# Altium PCB MSE-PCB-N1.PcbDoc
Units mil, origin at the board's own origin, x right, y up, seen from the top; angles counter-clockwise.
Board outline 2086.61 x 3937.01 mil, 4 copper layers (Top Layer 1, Layer 2, Layer 3, Bottom Layer 4), stack 62.449 mil thick; 73 components, 82 nets, 300 pads, 70 vias.
Unrouted connection lines stored in the file: 62.
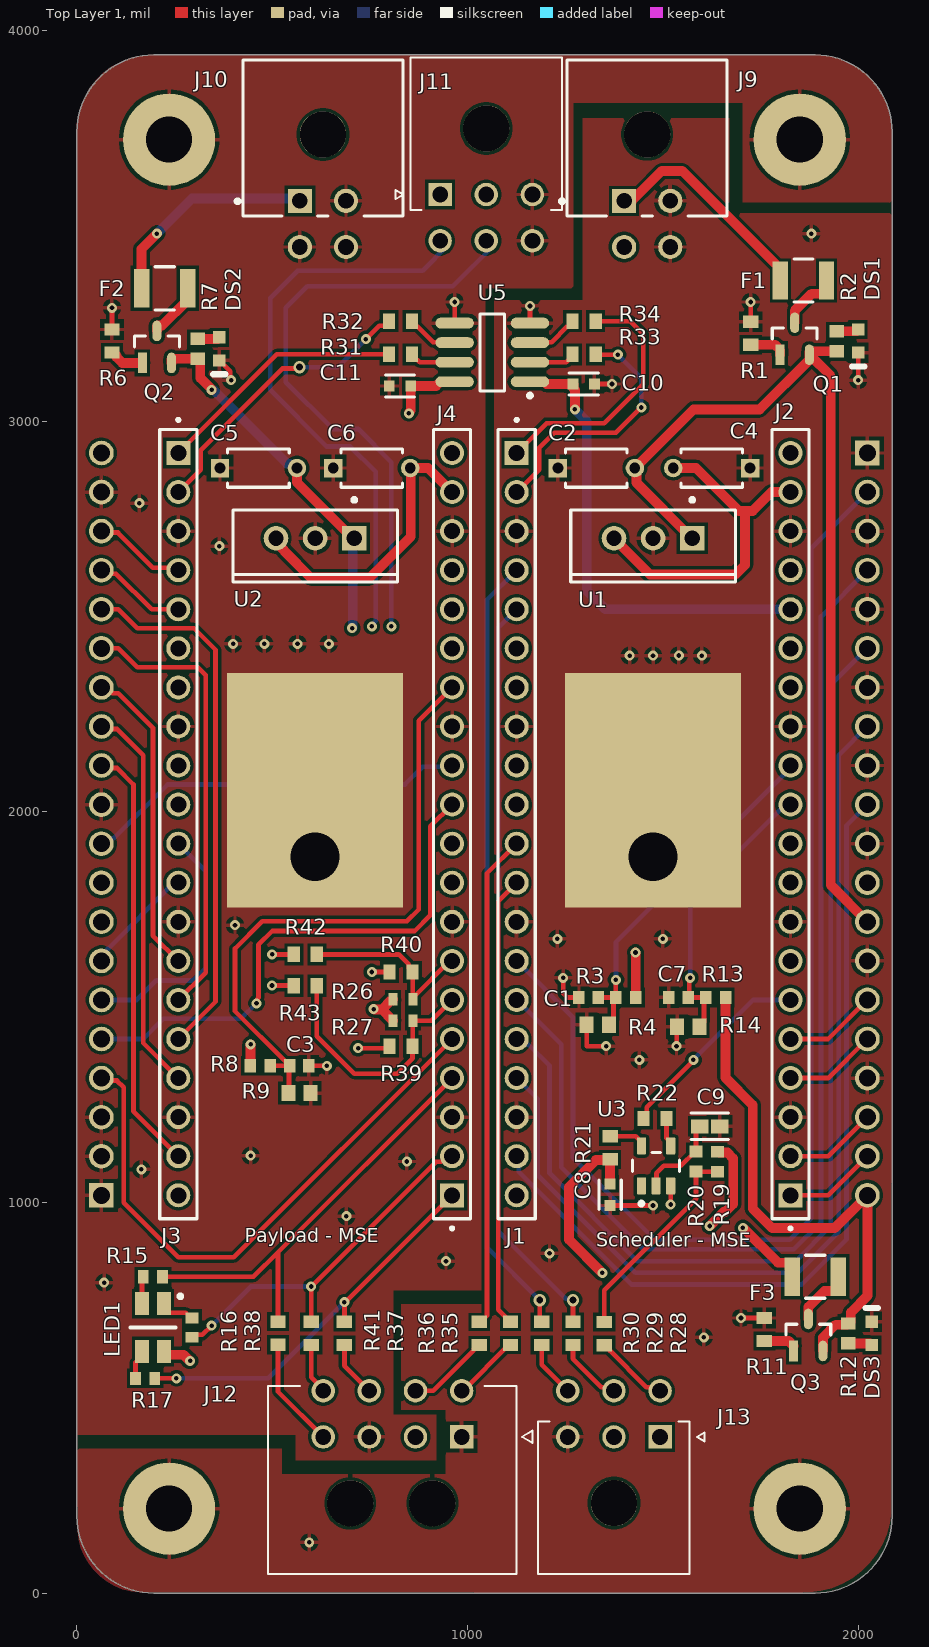
[diagram p0: Top Layer 1 view]
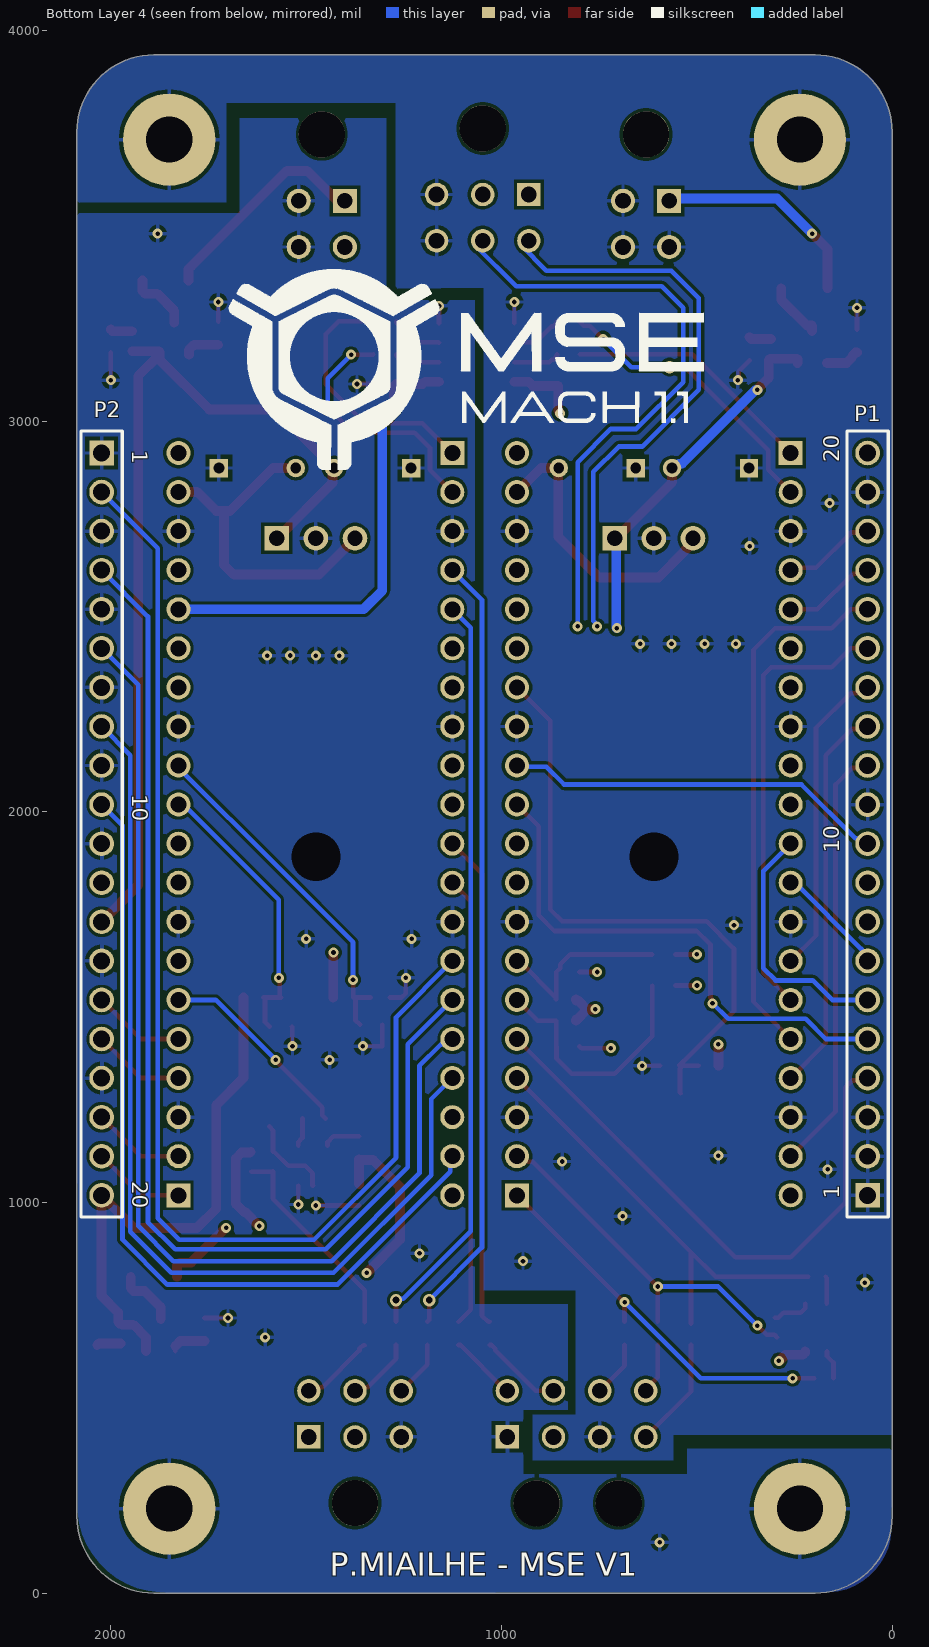
[diagram p1: Bottom Layer 4 view, seen from below]
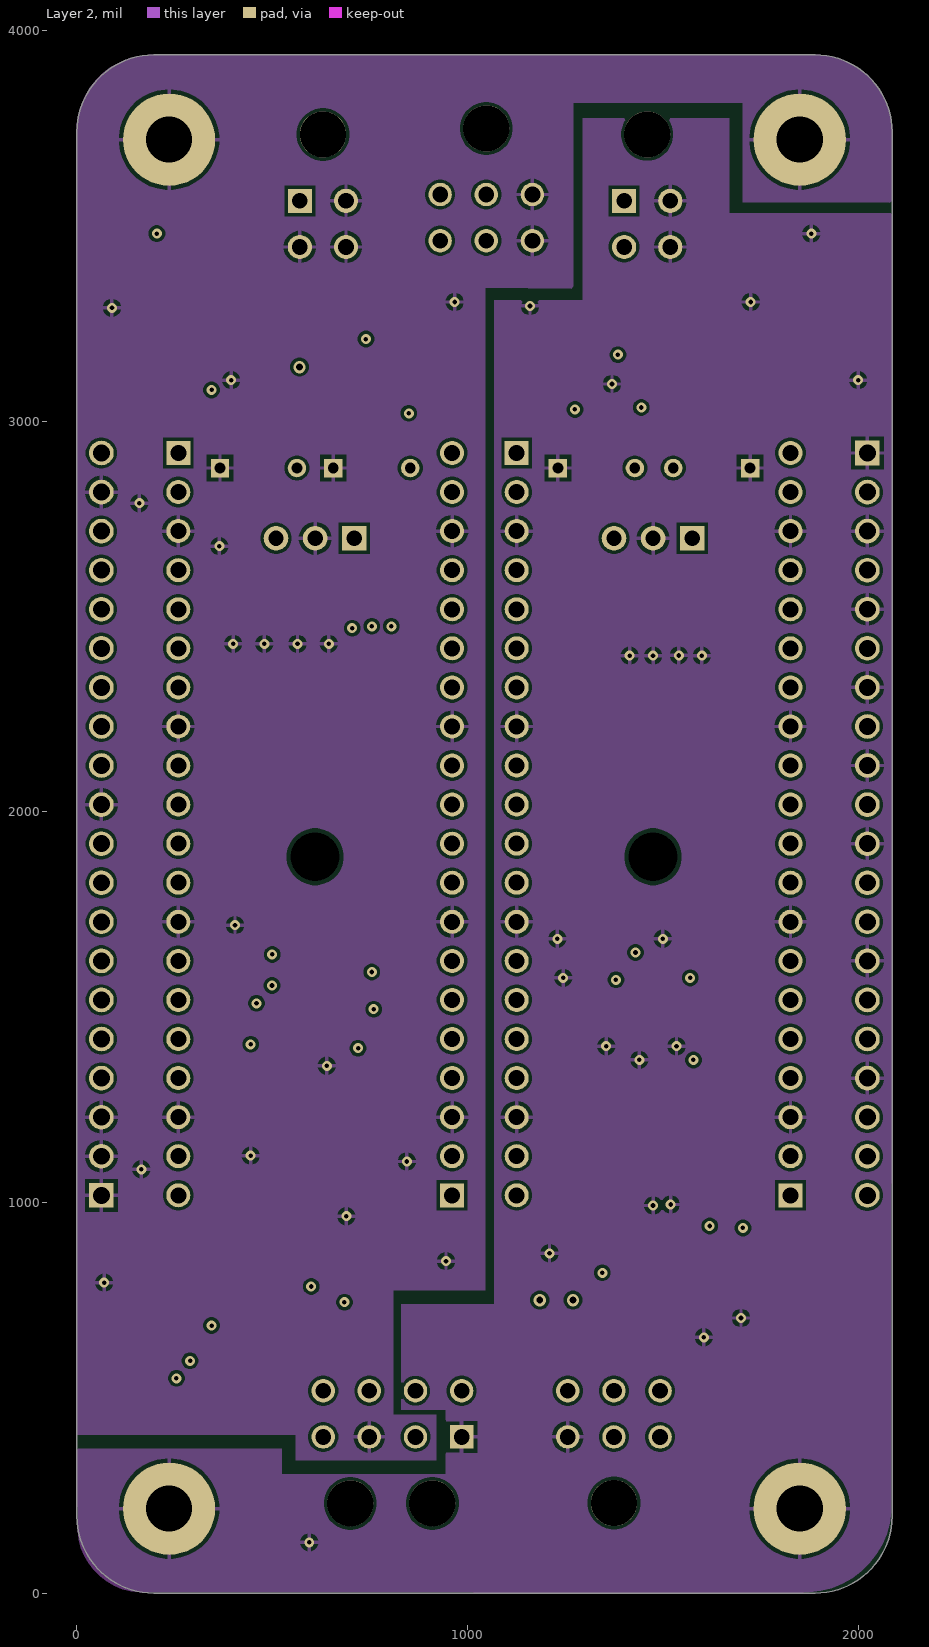
[diagram p2: Layer 2]
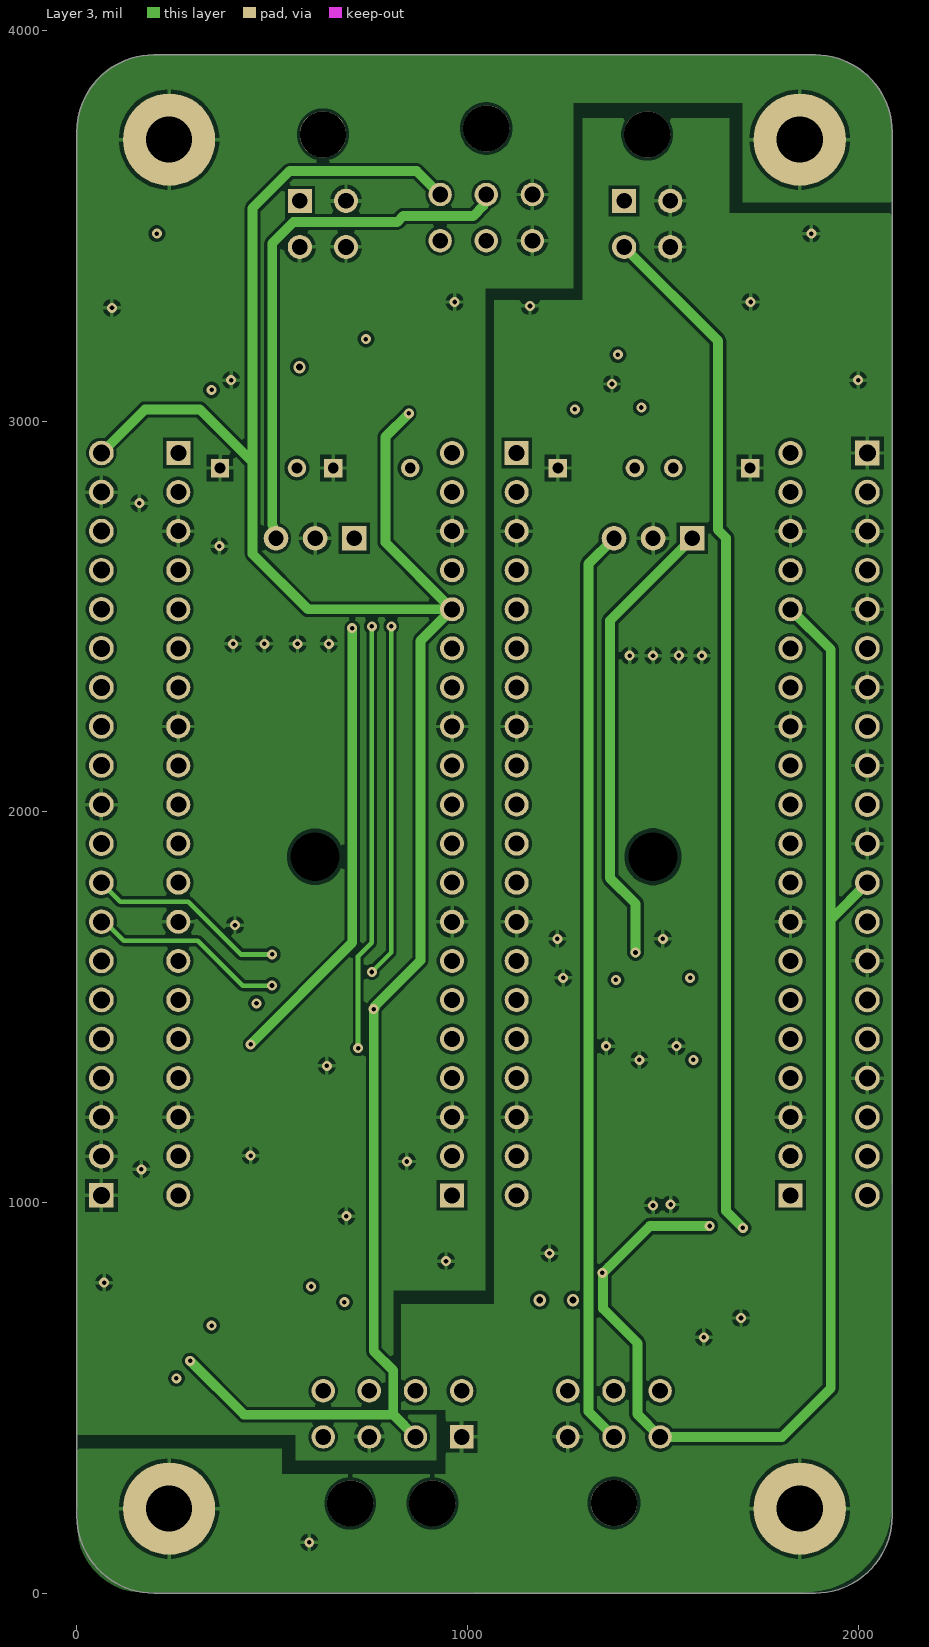
[diagram p3: Layer 3]

## Layer stack, top to bottom
Top Solder: solder mask 0.8, SM-002, Dk 3.8
Top Layer 1: signal copper 1.378
Dielectric 2: prepreg 8.284, PP-022, Dk 4.6
Layer 2: signal copper 0.598
Dielectric 1: core 41.929, Core-042, Dk 4.6
Layer 3: signal copper 0.598
Dielectric 3: prepreg 8.284, PP-022, Dk 4.6
Bottom Layer 4: signal copper 1.378
Bottom Solder: solder mask 0.8, SM-002, Dk 3.8

## Board outline
0.25,197.1 0.25,3740.41 cw(c197.1,3740.41) 197.1,3937.26 1890.01,3937.26 cw(c1890.01,3740.41) 2086.86,3740.41 2086.86,197.1 cw(c1890.01,197.1) 1890.01,0.25 197.1,0.25 cw(c197.1,197.1)

## Design rules (kind name [scope] priority, off if disabled: settings)
Clearance [All] p1: gap=8 ignorepadtopadclearanceinfootprint=TRUE
PolygonConnect [All] p1: connectstyle=Relief reliefconductorwidth=10 reliefentries=4 polygonreliefangle="90 Angle" airgapwidth=10
RoutingVias "RoutingVias <= 0.45mm" [All] p1: holewidth=11.81 width=25.59 viastyle="Through Hole" minholewidth=9.84 minwidth=23.62 maxholewidth=17.72 maxwidth=31.5
RoutingVias "RoutingVias > 0.45" [All] p2: holewidth=19.68 width=33.47 viastyle="Through Hole" minholewidth=19.68 minwidth=33.47 maxholewidth=35.43 maxwidth=49.21
SolderMaskExpansion [All] p1: expansion=4 istentingtop=FALSE
Width Width_50R [InNetClass('50R')] p1: maxlimit=14.28 minlimit=10.33 preferedwidth=13.57 toplayer_minwidth=13.57 midlayer1_maxwidth=10.48 midlayer1_prefwidth=10.33 midlayer2_maxwidth=10.48 midlayer2_prefwidth=10.33 bottomlayer_minwidth=13.57 impedanceprofiledriven=TRUE minimp=50.000000 maximp=50.000000 favimp=50.000000
Width [All] p2: maxlimit=25 minlimit=8 preferedwidth=12 minimp=50.000000 maximp=50.000000 favimp=50.000000
30 further rules are at their usual default settings.

## Classes and differential pairs
component class Isolator: C10 C11 R31 R32 R33 R34 U5
component class Scheduler: C8 C9 J1 J2 R19 R20 R21 R22 U3
component class Power: C1 C2 C3 C4 C5 C6 C7 DS1 DS2 DS3 F1 F2 F3 Q1 Q2 Q3 R1 R2 R3 R4 R6 R7 R8 R9 R11 R12 R13 R14 U1 U2
component class Payload: J3 J4 LED1 R15 R16 R17 R26 R27
component class Connecteur: J9 J10 J11 J12 J13 "J&\"" P1 P2 R28 R29 R30 R35 R36 R37 R38 R39 R40 R41 R42 R43

## Components (designator, comment, footprint, x,y, rotation, side; value= is the part's Value field where it differs from the comment)
C1 "GRM188R61E105KA12D" CAPC1608X90X35LL10T15 1310,1525 r0 top
C2 "0.1uF" FP-RCE1K1-2_5-MFG 1330,2880 r0 top
C3 "GRM188R61E105KA12D" CAPC1608X90X35LL10T15 569.61,1350 r180 top
C4 "0.1uF" FP-RCE1K1-2_5-MFG 1625,2880 r180 top locked
C5 "0.1uF" FP-RCE1K1-2_5-MFG 465,2880 r0 top locked
C6 "0.1uF" FP-RCE1K1-2_5-MFG 755,2880 r0 top
C7 "GRM188R61E105KA12D" CAPC1608X90X35LL10T15 1540,1525 r0 top
C8 "CGA3E2X7R1E104K080AA" FP-CGA3E-0_3-0_1-MFG 1365,1020 r270 top
C9 "C1608X7R1H334K080AC" FP-C1608-080-0_1-IPC_B 1620,1195 r180 top
C10 "CGA3E2X7R1E104K080AA" FP-CGA3E-0_3-0_1-MFG 1297.44,3095 r0 top
C11 "CGA3E2X7R1E104K080AA" FP-CGA3E-0_3-0_1-MFG 827.44,3090 r180 top
DS1 "HSMG-C190" AVAG-HSMX-C190_V 2000,3205 r270 top
DS2 "HSMG-C190" AVAG-HSMX-C190_V 365,3185 r270 top
DS3 "HSMG-C190" AVAG-HSMX-C190_V 2035,665 r90 top
F1 "1210L110/16WR" FP-1210L110-16WR-MFG 1860,3360 r0 top value=0.06-0.21Ω
F2 "1210L110/16WR" FP-1210L110-16WR-MFG 225,3340 r0 top value=0.06-0.21Ω
F3 "1210L110/16WR" FP-1210L110-16WR-MFG 1890,810 r0 top value=0.06-0.21Ω
J1 "SSW-120-01-X-S" SAMTEC_SSW-120-01-X-S 1125.98,1968.5 r270 top locked
J2 "SSW-120-01-X-S" SAMTEC_SSW-120-01-X-S 1826.77,1968.5 r90 top locked
J3 "SSW-120-01-X-S" SAMTEC_SSW-120-01-X-S 259.84,1968.5 r270 top locked
J4 "SSW-120-01-X-S" SAMTEC_SSW-120-01-X-S 960.63,1968.5 r90 top locked
J9 "43045-0400" FP-43045-0400-MFG 1460,3720 r180 top locked
J10 "43045-0400" FP-43045-0400-MFG 630,3720 r180 top locked
J11 "2125280601" MOLEX_2125280601 930,3580 r180 top locked
J12 "430450800" MOLEX_430450800 985,400 r0 top locked
J13 "2125280601" MOLEX_2125280601 1493,400 r0 top locked
LED1 "150141M173100" 3528_A 195,680 r270 top
P1 "61302011121" 61302011121 62.99,1968.5 r90 bottom locked
P2 "61302011121" 61302011121 2023.62,1968.5 r270 bottom locked
Q1 "FDN360P" FP-527AG-IPC_B 1837.6,3210.95 r90 top
Q2 "FDN360P" FP-527AG-IPC_B 205,3190 r90 top
Q3 "FDN360P" FP-527AG-IPC_B 1872.4,660.95 r90 top
R1 "RC0603JR-070RL" RESC1608X55X25ML10T15 1725,3225 r270 top
R2 "260R" RESC1609X50X30NL8T20 1945,3204.41 r90 top
R3 "ERJ3EKF1002V" RESC1609X55X30LL15T15 1405,1525 r0 top
R4 "ERJ-3EKF2001V" RESC1608X55X30ML15T15 1333.54,1455 r0 top
R6 "RC0603JR-070RL" RESC1608X55X25ML10T15 90,3205 r270 top
R7 "260R" RESC1609X50X30NL8T20 310,3185 r90 top
R8 "ERJ3EKF1002V" RESC1609X55X30LL15T15 469.61,1350 r180 top
R9 "ERJ-3EKF2001V" RESC1608X55X30ML15T15 570,1280 r180 top
R11 "RC0603JR-070RL" RESC1608X55X25ML10T15 1760,675 r270 top
R12 "260R" RESC1609X50X30NL8T20 1975,665 r270 top
R13 "ERJ3EKF1002V" RESC1609X55X30LL15T15 1635,1525 r0 top
R14 "ERJ-3EKF2001V" RESC1608X55X30ML15T15 1565,1450 r0 top
R15 "ERJ-3EKF1000V" RESC1608X55X30LL15T15 195,810 r180 top
R16 "ERJ-3EKF1000V" RESC1608X55X30LL15T15 295,680 r90 top
R17 "ERJ-3EKF1000V" RESC1608X55X30LL15T15 175,550 r180 top
R19 "ERJ3EKF1002V" RESC1609X55X30LL15T15 1640,1104.41 r90 top
R20 "ERJ3EKF1002V" RESC1609X55X30LL15T15 1585,1105 r270 top
R21 "0R" RESC1608X55X25ML10T15 1365,1140 r90 top
R22 "0R" RESC1608X55X25ML10T15 1480,1215 r180 top
R26 "RC0603FR-074K7L" RESC1608X55X25LL10T15 835,1520 r180 top
R27 "RC0603FR-074K7L" RESC1608X55X25LL10T15 835,1465 r180 top
R28 "0R" RESC1608X55X25ML10T15 1350,664.53 r90 top
R29 "0R" RESC1608X55X25ML10T15 1270,665 r90 top
R30 "0R" RESC1608X55X25ML10T15 1190,665 r90 top
R31 "RC0603JR-070RL" RESC1608X55X25ML10T15 828.5,3171.04 r180 top
R32 "RC0603JR-070RL" RESC1608X55X25ML10T15 828.5,3256.04 r180 top
R33 "RC0603JR-070RL" RESC1608X55X25ML10T15 1298.5,3171.04 r180 top
R34 "RC0603JR-070RL" RESC1608X55X25ML10T15 1298.5,3256.04 r180 top
R35 "0R" RESC1608X55X25ML10T15 1110,665 r90 top
R36 "0R" RESC1608X55X25ML10T15 1030,665 r90 top
R37 "0R" RESC1608X55X25ML10T15 685,665 r270 top
R38 "0R" RESC1608X55X25ML10T15 515,665.47 r270 top
R39 "0R" RESC1608X55X25ML10T15 830,1400 r0 top
R40 "0R" RESC1608X55X25ML10T15 830,1590 r0 top
R41 "0R" RESC1608X55X25ML10T15 600,665 r270 top
R42 "0R" RESC1608X55X25ML10T15 585,1635 r0 top
R43 "0R" RESC1608X55X25ML10T15 585,1555 r0 top
U1 "LM340AT-5.0" NDE0003A 1475,2700 r180 top locked
U2 "LM340AT-5.0" NDE0003A 610,2700 r180 top locked
U3 "SN74LVC1G17DBVT" FP-DBV0005A-MFG 1482.6,1093.82 r90 top
U5 "ADUM1286BRZ" ADI-R-8_M 1063.5,3176.04 r180 top

## Footprints (in the part's own frame and the unit in brackets; to place one, negate y for a bottom-side part, rotate by r counter-clockwise, add the part's x,y. Pads: shape width x height; smd on the part's side, far side on the other; paste and mask are expansions set on the pad)
3528_A [mm] "Chip LED, 4-Leads, Body 2.8x3.5mm (max), Pitch 1.42mm, IPC Medium Density"
  rect 1.5x0.9 smd: 1(1.55,0.707) 2(1.55,-0.71) 3(-1.55,0.707) 4(-1.55,-0.707)
  silkscreen extent -2.15,-1.5 0.03,1.9, body extent -1.75,-1.4 1.75,1.4, height 1.87
61302011121 [mm] "Pin Header, pitch 2.54 mm, THT, Vertical, single row, 20p"
  rect 1.6x1.6 hole 1.1: 1(-24.13,0)
  round 1.6 hole 1.1: 2(-21.59,0) 3(-19.05,0) 4(-16.51,0) 5(-13.97,0) 6(-11.43,0) 7(-8.89,0) 8(-6.35,0) 9(-3.81,0) 10(-1.27,0) 11(1.27,0) 12(3.81,0) 13(6.35,0) 14(8.89,0) 15(11.43,0) 16(13.97,0) 17(16.51,0) 18(19.05,0) 19(21.59,0) 20(24.13,0)
  silkscreen extent -25.55,-1.35 25.55,1.35, body extent -25.4,-1.27 25.4,1.27, height 8.57
ADI-R-8_M [mm] "SOIC, 8-Leads, Body 4.9x3.9mm, Pitch 1.27mm, IPC Low Density"
  oval 2.5x0.7 smd: 1(-2.45,1.905) 2(-2.45,0.635) 3(-2.45,-0.635) 4(-2.45,-1.905) 5(2.45,-1.905) 6(2.45,-0.635) 7(2.45,0.635) 8(2.45,1.905)
  silkscreen extent -2.58,-2.5 0.8,2.93, body extent -2,-2.5 2,2.5, height 1.75
AVAG-HSMX-C190_V [mm] "SMD, 2-Leads, Body 1.6x0.8mm, Height 0.9mm"
  rect 0.8x0.8 smd: 1(-0.75,0) 2(0.75,0)
  silkscreen extent 1.65,-0.4 1.65,0.4, body extent -0.8,-0.4 0.8,0.4, height 0.9
CAPC1608X90X35LL10T15 [mm] "Chip Capacitor, 2-Leads, Body 1.60x0.80mm, IPC High Density"
  rect 0.75x0.85 smd: 1(-0.625,0) 2(0.625,0)
  body extent -0.85,-0.45 0.85,0.45, height 0.9
FP-527AG-IPC_B [mm]
  rect 1.336x0.585 smd paste+0 mask+0: 1(-1.04,0.95)
  rrect100% 1.336x0.585 smd paste+0 mask+0: 2(-1.04,-0.95) 3(1.04,0)
  silkscreen extent 0,-1.46 0.7,1.46, body extent -1.96,-1.71 1.96,1.71, height 0.25
FP-1210L110-16WR-MFG [mm]
  rect 1x2.5 smd paste+0 mask+0: 1(-1.5,0) 2(1.5,0)
  silkscreen extent -0.63,-1.4 0.63,1.4, body extent -2.1,-1.5 2.1,1.5, height 0.25
FP-43045-0400-MFG [mm]
  rect 1.57x1.57 hole 1.02 paste-1000 mask+0: 1(1.5,3.965)
  round 1.57 hole 1.02 paste-1000 mask+0: 2(-1.5,3.965) 3(1.5,6.965) 4(-1.5,6.965)
  round 3 hole 3 unplated paste-1000 mask+0: ""(0,-0.355)
  silkscreen extent -5.2,-5.21 5.67,4.95, body extent -5.3,-5.31 5.3,7.85, height 0.25
FP-C1608-080-0_1-IPC_B [mil]
  rect 44.53x35.91 smd paste+0 mask+0: 1(-25.22,0) 2(25.22,0)
  silkscreen extent -47,-34 47,34, body extent -57,-28 57,28, height 10
FP-CGA3E-0_3-0_1-MFG [mm]
  rect 0.7x0.7 smd paste+0 mask+0: 1(-0.7,0) 2(0.7,0)
  silkscreen extent -0.95,-0.72 0.95,0.72, body extent -1.15,-0.65 1.15,0.65, height 0.25
FP-DBV0005A-MFG [mm]
  rrect17% 1.1x0.6 smd paste+0 mask+0: 1(-1.3,0.95) 2(-1.3,0) 3(-1.3,-0.95) 4(1.3,-0.95) 5(1.3,0.95)
  silkscreen extent -2.57,-1.53 0.87,1.53, body extent -1.95,-1.78 1.95,1.78, height 0.25
FP-RCE1K1-2_5-MFG [mm]
  rect 1.2x1.2 hole 0.7 paste-1000 mask+0: 1(-2.5,0)
  round 1.2 hole 0.7 paste-1000 mask+0: 2(2.5,0)
  silkscreen extent -2,-1.25 2,1.25, body extent -3.2,-1.35 3.2,1.35, height 0.25
MOLEX_430450800 [mm]
  rect 1.52x1.52 hole 1.02 mask+0.076: 1(0,0)
  round 1.52 hole 1.02 mask+0.076: 2(-3,0) 3(-6,0) 4(-9,0) 5(0,3) 6(-3,3) 7(-6,3) 8(-9,3)
  round 3 hole 3 unplated mask+0.076: ""(-7.239,-4.318) ""(-1.905,-4.318)
  silkscreen extent -12.57,-8.92 4.62,3.32, body extent -12.57,-8.91 3.58,3.33, height 8.78
MOLEX_2125280601 [mm]
  rect 1.52x1.52 / inner round 1.52 / far side rect 1.52x1.52 hole 1.02 mask+0.076: 1(0,0)
  round 1.52 hole 1.02 mask+0.076: 2(-3,0) 3(-6,0) 4(0,3) 5(-3,3) 6(-6,3)
  round 3 hole 3 unplated mask+0.076: ""(-3,-4.3)
  silkscreen extent -7.93,-8.9 2.9,1.01, body extent -7.94,-8.89 1.91,3.29, height 8.81
NDE0003A [mm] "FM, 3-Leads, Body 10.7x4.7mm, Pitch 2.54mm"
  rect 1.6x1.6 hole 1: 1(-2.54,0)
  round 1.6 hole 1: 2(0,0) 3(2.54,0)
  silkscreen extent -5.35,-2.62 5.35,2.85, body extent -5.4,-1.9 5.4,2.9, height 19.4
RESC1608X55X25LL10T15 [mm] "Chip Resistor, 2-Leads, Body 1.60x0.80mm, IPC High Density"
  rect 0.6x0.8 smd: 1(-0.65,0) 2(0.65,0)
  body extent -0.85,-0.45 0.85,0.45, height 0.55
RESC1608X55X25ML10T15 [mm] "Chip Resistor, 2-Leads, Body 1.60x0.80mm, IPC Low Density"
  rect 0.8x1 smd: 1(-0.75,0) 2(0.75,0)
  body extent -0.85,-0.45 0.85,0.45, height 0.55
RESC1608X55X30LL15T15 [mm] "Chip Resistor, 2-Leads, Body 1.60x0.80mm, IPC High Density"
  rect 0.7x0.85 smd: 1(-0.625,0) 2(0.625,0)
  body extent -0.87,-0.48 0.87,0.48, height 0.55
RESC1608X55X30ML15T15 [mm] "Chip Resistor, 2-Leads, Body 1.60x0.80mm, IPC Low Density"
  rect 0.9x1.05 smd: 1(-0.725,0) 2(0.725,0)
  body extent -0.87,-0.48 0.87,0.48, height 0.55
RESC1609X50X30NL8T20 [mm] "Chip Resistor, 2-Leads, Body 1.65x0.95mm, IPC Medium Density"
  rect 0.8x0.95 smd: 1(-0.65,0) 2(0.65,0)
  body extent -0.82,-0.48 0.82,0.48, height 0.5
RESC1609X55X30LL15T15 [mm] "Chip Resistor, 2-Leads, Body 1.75x0.95mm, IPC High Density"
  rect 0.75x0.85 smd: 1(-0.65,0) 2(0.65,0)
  body extent -0.87,-0.48 0.87,0.48, height 0.55
SAMTEC_SSW-120-01-X-S [mm]
  rect 1.56x1.56 hole 1.04: 01(-24.13,0)
  round 1.56 hole 1.04: 02(-21.59,0) 03(-19.05,0) 04(-16.51,0) 05(-13.97,0) 06(-11.43,0) 07(-8.89,0) 08(-6.35,0) 09(-3.81,0) 10(-1.27,0) 11(1.27,0) 12(3.81,0) 13(6.35,0) 14(8.89,0) 15(11.43,0) 16(13.97,0) 17(16.51,0) 18(19.05,0) 19(21.59,0) 20(24.13,0)
  silkscreen extent -26.38,-1.2 25.66,1.2, body extent -25.78,-1.21 25.53,1.21, height 8.52
